# Altium PCB RTM_SFP.PcbDoc (part 1 of 5) (continued)
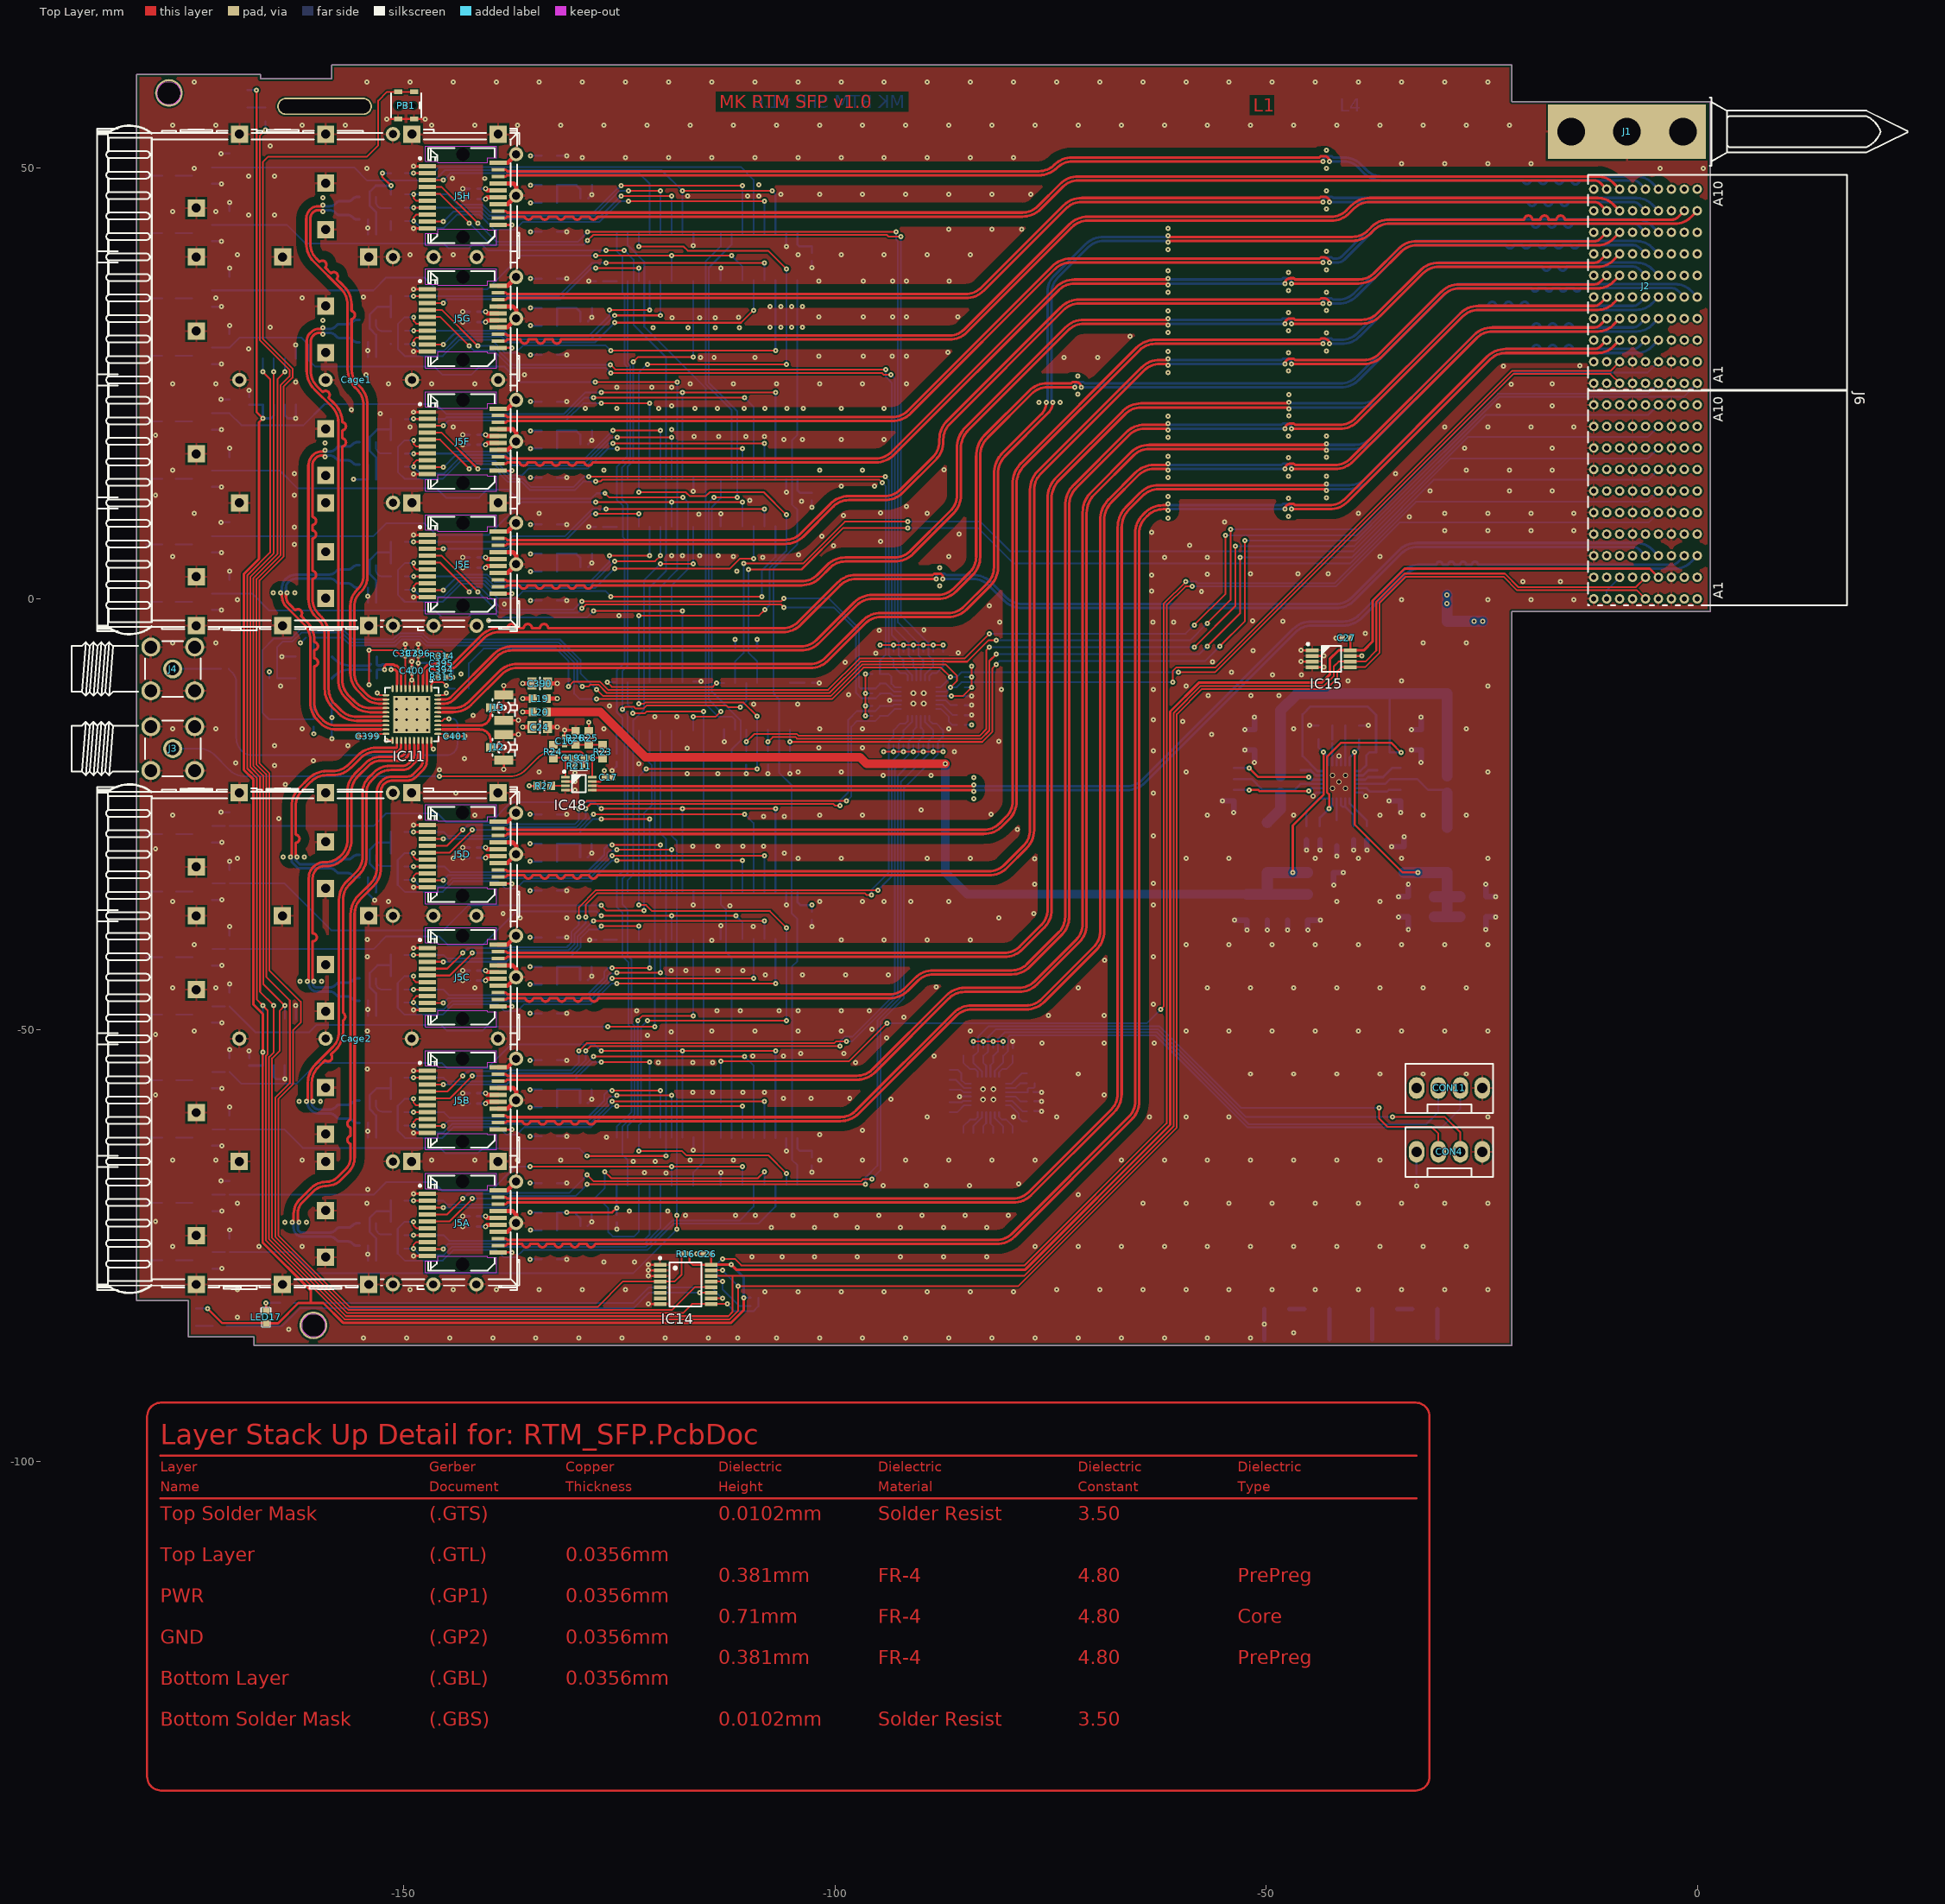
[diagram p0: Top Layer view]
## Components (designator, comment, footprint, x,y, rotation, side; value= is the part's Value field where it differs from the comment) (continued)
C404 "100nF" CAPC0603X33N -85.39,-11.28 r180 bottom
Cage1 "SFP+" TYCO_2007132-1 -143.175,25.386 r0 top locked
Cage2 "SFP+" TYCO_2007132-1 -143.189,-50.994 r0 top locked
CON4 "WF04S-LF" CON_WF04S-LF -28.75,-64.114 r90 top
CON11 "WF04S-LF" CON_WF04S-LF -28.75,-56.714 r90 top
F1 "1.5A-15V" FUSR_TYCO_SMD150F-2 -29.02,-6.79 r270 bottom
IC1 "74HC04D" SOIC127P600X175-14N -109.04,-12.45 r90 bottom locked
IC2 "74HC165D" SOIC127P600X175-16N -108.815,39.636 r90 bottom locked
IC3 "74HC4094D" SO-16 -125.315,42.43 r270 bottom locked
IC4 "74HC4094D" SO-16 -125.315,13.93 r270 bottom locked
IC5 "74HC165D" SOIC127P600X175-16N -108.815,11.136 r90 bottom locked
IC6 "74HC4094D" SO-16 -125.315,-33.95 r270 bottom locked
IC7 "74HC165D" SOIC127P600X175-16N -108.815,-36.744 r90 bottom locked
IC8 "74HC4094D" SO-16 -125.315,-62.45 r270 bottom locked
IC9 "74HC165D" SOIC127P600X175-16N -108.815,-65.244 r90 bottom locked
IC10 "74HC4094D" SO-16 -125.315,-9.675 r270 bottom locked
IC11 "nm (CDCLVD1212RHAT)" QFN50P600-40 -149.08,-13.41 r270 top locked
IC12 "LM75AIM" SOIC127P600X175-8N -164.455,-51.414 r270 bottom
IC13 "LM75AIM" SOIC127P600X175-8N -164.455,25.186 r270 bottom
IC14 "PCA9554DB" SOP65P640X120-16N -117.33,-79.49 r0 top
IC15 "24LC64-I/MS" SOP65P490X110-8N -42.44,-6.94 r0 top
IC16 "TPS53126RGET" QFN50P400X400X100-25N-S255 -41.56,-21.22 r270 bottom locked
IC20A "SN65LVDS2DBVR" SOT95P280X145-5N -154.18,-73.701 r90 bottom (schematic designator IC20)
IC20B "SN65LVDS2DBVR" SOT95P280X145-5N -154.18,-59.45 r90 bottom (schematic designator IC20)
IC20C "SN65LVDS2DBVR" SOT95P280X145-5N -154.18,-45.3 r90 bottom (schematic designator IC20)
IC20D "SN65LVDS2DBVR" SOT95P280X145-5N -154.18,-31 r90 bottom (schematic designator IC20)
IC20E "SN65LVDS2DBVR" SOT95P280X145-5N -154.18,2.6 r90 bottom (schematic designator IC20)
IC20F "SN65LVDS2DBVR" SOT95P280X145-5N -154.18,16.86 r90 bottom (schematic designator IC20)
IC20G "SN65LVDS2DBVR" SOT95P280X145-5N -154.18,31.06 r90 bottom (schematic designator IC20)
IC20H "SN65LVDS2DBVR" SOT95P280X145-5N -154.18,45.3 r90 bottom (schematic designator IC20)
IC39 "MAX7357ETG+" HVQFN24 -90.319,-11.53 r90 bottom locked
IC40 "MAX7357ETG+" HVQFN24 -82.23,-57.46 r90 bottom locked
IC48 "FIN1101K8X" US8 -129.7,-21.44 r0 top
J1 "Family" TYCO_1469265-1 -8.15,54.186 r0 top
J2 "Family" TYCO_6469183-1 -6,36.25 r0 top locked
J3 "SMA" "HUBER-SUHNER_85 SMA-50-0-101/111 NE" -176.81,-17.364 r180 top locked
J4 "SMA" "HUBER-SUHNER_85 SMA-50-0-101/111 NE" -176.81,-8.124 r180 top locked
J5A "SFP+" TYCO_1888247-1 -143.19,-72.369 r0 top locked (schematic designator J5)
J5B "SFP+" TYCO_1888247-1 -143.19,-58.119 r0 top locked (schematic designator J5)
J5C "SFP+" TYCO_1888247-1 -143.19,-43.869 r0 top locked (schematic designator J5)
J5D "SFP+" TYCO_1888247-1 -143.19,-29.619 r0 top locked (schematic designator J5)
J5E "SFP+" TYCO_1888247-1 -143.175,4.011 r0 top locked (schematic designator J5)
J5F "SFP+" TYCO_1888247-1 -143.175,18.261 r0 top locked (schematic designator J5)
J5G "SFP+" TYCO_1888247-1 -143.175,32.511 r0 top locked (schematic designator J5)
J5H "SFP+" TYCO_1888247-1 -143.175,46.761 r0 top locked (schematic designator J5)
J6 "Family" TYCO_6469183-1 -6,11.25 r0 top locked
J12 "U.FL" HIROSE_U.FL-R-SMT-1(10) -138.42,-17.21 r270 top locked
J13 "U.FL" HIROSE_U.FL-R-SMT-1(10) -138.42,-12.61 r270 top locked
L1 "1.5uH" INDM6965X300N -29.02,-28.83 r270 bottom
L2 "1.5uH" INDM6965X300N -49.87,-28.83 r270 bottom
L5A "220R@100MHz" INDC2012X105N -133.15,-71.15 r180 bottom (schematic designator L5)
L5B "220R@100MHz" INDC2012X105N -133.15,-56.9 r180 bottom (schematic designator L5)
L5C "220R@100MHz" INDC2012X105N -133.15,-42.65 r180 bottom (schematic designator L5)
L5D "220R@100MHz" INDC2012X105N -133.15,-28.4 r180 bottom (schematic designator L5)
L5E "220R@100MHz" INDC2012X105N -133.15,5.23 r180 bottom (schematic designator L5)
L5F "220R@100MHz" INDC2012X105N -133.15,19.48 r180 bottom (schematic designator L5)
L5G "220R@100MHz" INDC2012X105N -133.15,33.73 r180 bottom (schematic designator L5)
L5H "220R@100MHz" INDC2012X105N -133.15,47.98 r180 bottom (schematic designator L5)
L11A "220R@100MHz" INDC2012X105N -133.15,-73.2 r180 bottom (schematic designator L11)
L11B "220R@100MHz" INDC2012X105N -133.15,-58.95 r180 bottom (schematic designator L11)
L11C "220R@100MHz" INDC2012X105N -133.15,-44.7 r180 bottom (schematic designator L11)
L11D "220R@100MHz" INDC2012X105N -133.15,-30.45 r180 bottom (schematic designator L11)
L11E "220R@100MHz" INDC2012X105N -133.15,3.18 r180 bottom (schematic designator L11)
L11F "220R@100MHz" INDC2012X105N -133.15,17.43 r180 bottom (schematic designator L11)
L11G "220R@100MHz" INDC2012X105N -133.15,31.68 r180 bottom (schematic designator L11)
L11H "220R@100MHz" INDC2012X105N -133.15,45.93 r180 bottom (schematic designator L11)
L19 "390R@100MHz" INDC1608X95N -134.23,-11.57 r180 top
L20 "390R@100MHz" INDC1608X95N -134.23,-13.12 r180 top
LD1A "GREEN" LED_AVAGO_HSME-C120 -179.885,-69.051 r90 bottom (schematic designator LD1)
LD1B "GREEN" LED_AVAGO_HSME-C120 -179.9,-54.8 r90 bottom (schematic designator LD1)
LD1C "GREEN" LED_AVAGO_HSME-C120 -179.9,-40.55 r90 bottom (schematic designator LD1)
LD1D "GREEN" LED_AVAGO_HSME-C120 -179.9,-26.3 r90 bottom (schematic designator LD1)
LD1E "GREEN" LED_AVAGO_HSME-C120 -179.925,7.325 r90 bottom (schematic designator LD1)
LD1F "GREEN" LED_AVAGO_HSME-C120 -179.925,21.575 r90 bottom (schematic designator LD1)
LD1G "GREEN" LED_AVAGO_HSME-C120 -179.925,35.825 r90 bottom (schematic designator LD1)
LD1H "GREEN" LED_AVAGO_HSME-C120 -179.925,50.075 r90 bottom (schematic designator LD1)
LD2A "Red" LED_AVAGO_HSMC-C120 -179.885,-75.701 r90 bottom (schematic designator LD2)
LD2B "Red" LED_AVAGO_HSMC-C120 -179.9,-61.45 r90 bottom (schematic designator LD2)
LD2C "Red" LED_AVAGO_HSMC-C120 -179.9,-47.2 r90 bottom (schematic designator LD2)
LD2D "Red" LED_AVAGO_HSMC-C120 -179.9,-32.95 r90 bottom (schematic designator LD2)
LD2E "Red" LED_AVAGO_HSMC-C120 -179.925,0.675 r90 bottom (schematic designator LD2)
LD2F "Red" LED_AVAGO_HSMC-C120 -179.925,14.925 r90 bottom (schematic designator LD2)
LD2G "Red" LED_AVAGO_HSMC-C120 -179.925,29.175 r90 bottom (schematic designator LD2)
LD2H "Red" LED_AVAGO_HSMC-C120 -179.925,43.425 r90 bottom (schematic designator LD2)
LDx "GREEN" LED_AVAGO_HSME-C120 -174.101,-83.289 r90 bottom
LDy "HSMR-C120" LED_AVAGO_HSME-C120 -168.151,57.986 r90 bottom
LED17 "LED0603-P-RW120 or LYN971-Z" LED_0603R -166.001,-82.592 r270 top
OSC1 "nm (570BBC000121DG)" OSC_SILICON-LAB_SI570 -160.46,-9.23 r0 bottom
PB1 "Push Button" SW_C&K_HDT0001 -149.751,57.211 r0 top
R1A "330" RESC1608X55N -177.21,-70.051 r180 bottom (schematic designator R1)
R1B "330" RESC1608X55N -177.225,-55.8 r180 bottom (schematic designator R1)
R1C "330" RESC1608X55N -177.225,-41.55 r180 bottom (schematic designator R1)
R1D "330" RESC1608X55N -177.225,-27.3 r180 bottom (schematic designator R1)
R1E "330" RESC1608X55N -177.25,6.325 r180 bottom (schematic designator R1)
R1F "330" RESC1608X55N -177.25,20.575 r180 bottom (schematic designator R1)
R1G "330" RESC1608X55N -177.25,34.825 r180 bottom (schematic designator R1)
R1H "330" RESC1608X55N -177.25,49.075 r180 bottom (schematic designator R1)
R2 "100" RESC1608X55N -111.58,-6.45 r270 bottom
R3 "100" RESC1608X55N -110.3,-18.45 r90 bottom
R4 "100" RESC1608X55N -105.23,-18.45 r90 bottom
R5 "100" RESC1608X55N -109.04,-6.45 r270 bottom
R6 "100" RESC1608X55N -113.26,-59.24 r90 bottom
R7 "330" RESC1608X55N -166.07,56.186 r90 bottom
R8 "330" RESC1608X55N -171.375,-84.289 r180 bottom
R9 "330" RESC1608X55N -163.58,-81.63 r180 bottom
R10A "10k" RESC1608X55N -170.22,-68.301 r270 bottom (schematic designator R10)
R10B "10k" RESC1608X55N -170.22,-54.05 r270 bottom (schematic designator R10)
R10C "10k" RESC1608X55N -170.22,-39.8 r270 bottom (schematic designator R10)
R10D "10k" RESC1608X55N -170.22,-25.55 r270 bottom (schematic designator R10)
R10E "10k" RESC1608X55N -170.22,8.075 r270 bottom (schematic designator R10)
R10F "10k" RESC1608X55N -170.22,22.325 r270 bottom (schematic designator R10)
R10G "10k" RESC1608X55N -170.22,36.575 r270 bottom (schematic designator R10)
R10H "10k" RESC1608X55N -170.22,50.825 r270 bottom (schematic designator R10)
R11A "330" RESC1608X55N -177.21,-76.701 r180 bottom (schematic designator R11)
R11B "330" RESC1608X55N -177.225,-62.45 r180 bottom (schematic designator R11)
R11C "330" RESC1608X55N -177.225,-48.2 r180 bottom (schematic designator R11)
R11D "330" RESC1608X55N -177.225,-33.95 r180 bottom (schematic designator R11)
R11E "330" RESC1608X55N -177.25,-0.325 r180 bottom (schematic designator R11)
R11F "330" RESC1608X55N -177.25,13.925 r180 bottom (schematic designator R11)
R11G "330" RESC1608X55N -177.25,28.175 r180 bottom (schematic designator R11)
R11H "330" RESC1608X55N -177.25,42.425 r180 bottom (schematic designator R11)
R12A "10k" RESC1608X55N -170.22,-74.951 r270 bottom (schematic designator R12)
R12B "10k" RESC1608X55N -170.22,-60.7 r270 bottom (schematic designator R12)
R12C "10k" RESC1608X55N -170.22,-46.45 r270 bottom (schematic designator R12)
R12D "10k" RESC1608X55N -170.22,-32.2 r270 bottom (schematic designator R12)
R12E "10k" RESC1608X55N -170.22,1.425 r270 bottom (schematic designator R12)
R12F "10k" RESC1608X55N -170.22,15.675 r270 bottom (schematic designator R12)
R12G "10k" RESC1608X55N -170.22,29.925 r270 bottom (schematic designator R12)
R12H "10k" RESC1608X55N -170.22,44.175 r270 bottom (schematic designator R12)
R13 "100" RESC1608X55N -107.77,-18.45 r90 bottom
R14 "10k" RESC1005X40N -109.36,-81.03 r0 bottom
R15 "10k" RESC1005X40N -109.36,-81.98 r180 bottom
R16 "10k" RESC1005X40N -117.34,-75.96 r180 top
R17 "6k8 1%" 0603R -36.45,-17.8 r180 bottom
R18 "1k3 1%" 0603R -40.01,-14.67 r180 bottom
R19 "1M" RESC3216X65N -31.6,-82.339 r180 bottom
R20 "1M" RESC3216X65N -36.25,-82.339 r180 bottom
R21 "1M" RESC3216X65N -44.125,-82.339 r180 bottom
R22 "1M" RESC3216X65N -48.77,-82.339 r180 bottom
R23 "5k1" RESC1608X55N -126.94,-17.72 r270 top
R24 "5k1" RESC1608X55N -132.68,-17.72 r270 top
R25 "5k1" RESC1608X55N -128.54,-16.12 r270 top
R26 "5k1" RESC1608X55N -130.09,-16.12 r270 top
R27 "5k1" RESC1608X55N -133.7,-21.69 r180 top
R28 "10k" RESC1005X40N -85.39,-14.62 r0 bottom
R29 "10k" RESC1005X40N -77.291,-60.55 r0 bottom
R53 "4k3 1%" 0603R -40.01,-16.27 r0 bottom
R54 "1k3 1%" 0603R -45.32,-27.17 r270 bottom
R105A "100" RESC1608X55N -157,-73.72 r90 bottom (schematic designator R105)
R105B "100" RESC1608X55N -157,-59.46 r90 bottom (schematic designator R105)
R105C "100" RESC1608X55N -157,-45.29 r90 bottom (schematic designator R105)
R105D "100" RESC1608X55N -157,-31.01 r90 bottom (schematic designator R105)
R105E "100" RESC1608X55N -157,2.6 r90 bottom (schematic designator R105)
R105F "100" RESC1608X55N -157,16.86 r90 bottom (schematic designator R105)
R105G "100" RESC1608X55N -157,31.06 r90 bottom (schematic designator R105)
R105H "100" RESC1608X55N -157,45.3 r90 bottom (schematic designator R105)
R107A "0" RESC1608X55N -147.015,-73.776 r0 bottom (schematic designator R107)
R107B "0" RESC1608X55N -147.015,-59.525 r0 bottom (schematic designator R107)
R107C "0" RESC1608X55N -147.015,-45.275 r0 bottom (schematic designator R107)
R107D "0" RESC1608X55N -147.015,-31.025 r0 bottom (schematic designator R107)
R107E "0" RESC1608X55N -147.015,2.6 r0 bottom (schematic designator R107)
R107F "0" RESC1608X55N -147.015,16.85 r0 bottom (schematic designator R107)
R107G "0" RESC1608X55N -147.015,31.1 r0 bottom (schematic designator R107)
R107H "0" RESC1608X55N -147.015,45.35 r0 bottom (schematic designator R107)
R109A "100" RESC1608X55N -150.7,-73.776 r0 bottom (schematic designator R109)
R109B "100" RESC1608X55N -150.7,-59.525 r0 bottom (schematic designator R109)
R109C "100" RESC1608X55N -150.7,-45.275 r0 bottom (schematic designator R109)
R109D "100" RESC1608X55N -150.7,-31.025 r0 bottom (schematic designator R109)
R109E "100" RESC1608X55N -150.7,2.6 r0 bottom (schematic designator R109)
R109F "100" RESC1608X55N -150.7,16.85 r0 bottom (schematic designator R109)
R109G "100" RESC1608X55N -150.7,31.1 r0 bottom (schematic designator R109)
R109H "100" RESC1608X55N -150.7,45.35 r0 bottom (schematic designator R109)
R195 "6k8 1%" 0603R -43.11,-16.27 r0 bottom
R211 "51R" 0402R -129.713,-19.38 r180 top
R246 "5k1" RESC1608X55N -38.31,-27.17 r90 bottom
R248 "3k0 1%" 0603R -43.11,-14.67 r0 bottom
R309 "10k" RESC1005X40N -160.91,-4.5 r180 bottom
R310 "10k" RESC1005X40N -160.46,-14.41 r270 bottom
R311 "10k" RESC1005X40N -165.18,-9.23 r180 bottom
R312 "49R9" RESC1005X40N -153.61,-9.19 r0 bottom
R313 "49R9" RESC1005X40N -153.61,-6.73 r0 bottom
R314 "49R9" RESC1005X40N -145.57,-6.65 r180 top
R315 "49R9" RESC1005X40N -145.57,-9.1 r180 top
R316 "10k" RESC1005X40N -87.47,-16.46 r270 bottom
R317 "10k" RESC1005X40N -88.615,-16.46 r270 bottom
R318 "10k" RESC1005X40N -89.76,-16.46 r270 bottom
R319 "10k" RESC1005X40N -90.91,-16.46 r270 bottom
R320 "10k" RESC1005X40N -92.06,-16.46 r270 bottom
R321 "10k" RESC1005X40N -93.205,-16.46 r270 bottom
R322 "10k" RESC1005X40N -95.245,-13.57 r180 bottom
R323 "10k" RESC1005X40N -95.245,-12.425 r180 bottom
R324 "10k" RESC1005X40N -85.39,-10.235 r0 bottom
R325 "10k" RESC1005X40N -85.39,-9.08 r0 bottom
R326 "10k" RESC1005X40N -85.39,-12.325 r180 bottom
R327 "10k" RESC1005X40N -85.39,-13.47 r180 bottom
R328 "10k" RESC1005X40N -87.47,-6.605 r270 bottom
R329 "10k" RESC1005X40N -95.245,-10.98 r180 bottom
R330 "10k" RESC1005X40N -95.245,-9.83 r180 bottom
R331 "10k" RESC1005X40N -95.245,-8.685 r180 bottom
R332 "10k" RESC1005X40N -93.205,-6.605 r90 bottom
R333 "10k" RESC1005X40N -92.06,-6.605 r90 bottom
R334 "10k" RESC1005X40N -90.91,-6.605 r90 bottom
R335 "10k" RESC1005X40N -89.76,-6.605 r90 bottom
R336 "10k" RESC1005X40N -88.615,-6.605 r90 bottom
R337 "10k" RESC1005X40N -79.381,-62.39 r270 bottom
R338 "10k" RESC1005X40N -80.526,-62.39 r270 bottom
R339 "10k" RESC1005X40N -81.671,-62.39 r270 bottom
R340 "10k" RESC1005X40N -82.821,-62.39 r270 bottom
R341 "10k" RESC1005X40N -83.971,-62.39 r270 bottom
R342 "10k" RESC1005X40N -85.116,-62.39 r270 bottom
R343 "10k" RESC1005X40N -87.156,-59.5 r180 bottom
R344 "10k" RESC1005X40N -87.156,-58.355 r180 bottom
R345 "10k" RESC1005X40N -77.301,-56.165 r0 bottom
R346 "10k" RESC1005X40N -77.301,-55.01 r0 bottom
R347 "10k" RESC1005X40N -77.301,-58.255 r180 bottom
R348 "10k" RESC1005X40N -77.301,-59.4 r180 bottom
R349 "10k" RESC1005X40N -79.381,-52.53 r270 bottom
R350 "10k" RESC1005X40N -87.156,-56.91 r180 bottom
R351 "10k" RESC1005X40N -87.156,-55.76 r180 bottom
R352 "10k" RESC1005X40N -87.156,-54.615 r180 bottom
R353 "10k" RESC1005X40N -85.116,-52.53 r90 bottom
R354 "10k" RESC1005X40N -83.971,-52.53 r90 bottom
R355 "10k" RESC1005X40N -82.821,-52.53 r90 bottom
R356 "10k" RESC1005X40N -81.671,-52.53 r90 bottom
R357 "10k" RESC1005X40N -80.526,-52.53 r90 bottom
R391 "4k3" RESC1608X55N -143.26,-10.41 r0 bottom
R400A "10k" RESC1608X55N -150.7,-69.78 r180 bottom (schematic designator R400)
R400B "10k" RESC1608X55N -150.7,-55.53 r180 bottom (schematic designator R400)
R400C "10k" RESC1608X55N -150.7,-41.28 r180 bottom (schematic designator R400)
R400D "10k" RESC1608X55N -150.7,-27.024 r180 bottom (schematic designator R400)
R400E "10k" RESC1608X55N -150.7,6.6 r180 bottom (schematic designator R400)
R400F "10k" RESC1608X55N -150.7,20.85 r180 bottom (schematic designator R400)
R400G "10k" RESC1608X55N -150.7,35.1 r180 bottom (schematic designator R400)
R400H "10k" RESC1608X55N -150.7,49.35 r180 bottom (schematic designator R400)
R403A "10k" RESC1608X55N -150.7,-72.23 r180 bottom (schematic designator R403)
R403B "10k" RESC1608X55N -150.7,-57.98 r180 bottom (schematic designator R403)
R403C "10k" RESC1608X55N -150.7,-43.73 r180 bottom (schematic designator R403)
R403D "10k" RESC1608X55N -150.7,-29.48 r180 bottom (schematic designator R403)
R403E "10k" RESC1608X55N -150.7,4.15 r180 bottom (schematic designator R403)
R403F "10k" RESC1608X55N -150.7,18.4 r180 bottom (schematic designator R403)
R403G "10k" RESC1608X55N -150.7,32.65 r180 bottom (schematic designator R403)
R403H "10k" RESC1608X55N -150.7,46.9 r180 bottom (schematic designator R403)
R404A "10k" RESC1608X55N -150.7,-75.325 r180 bottom (schematic designator R404)
R404B "10k" RESC1608X55N -150.7,-61.075 r180 bottom (schematic designator R404)
R404C "10k" RESC1608X55N -150.7,-46.825 r180 bottom (schematic designator R404)
R404D "10k" RESC1608X55N -150.7,-32.575 r180 bottom (schematic designator R404)
R404E "10k" RESC1608X55N -150.7,1.055 r180 bottom (schematic designator R404)
R404F "10k" RESC1608X55N -150.7,15.305 r180 bottom (schematic designator R404)
R404G "10k" RESC1608X55N -150.7,29.545 r180 bottom (schematic designator R404)
R404H "10k" RESC1608X55N -150.7,43.805 r180 bottom (schematic designator R404)
T1A "BSS138LT1G" SOT95P240X110-3N -173.36,-76.701 r180 bottom (schematic designator T1)
T1B "BSS138LT1G" SOT95P240X110-3N -173.375,-62.45 r180 bottom (schematic designator T1)
T1C "BSS138LT1G" SOT95P240X110-3N -173.375,-48.2 r180 bottom (schematic designator T1)
T1D "BSS138LT1G" SOT95P240X110-3N -173.375,-33.95 r180 bottom (schematic designator T1)
T1E "BSS138LT1G" SOT95P240X110-3N -173.4,-0.325 r180 bottom (schematic designator T1)
T1F "BSS138LT1G" SOT95P240X110-3N -173.4,13.925 r180 bottom (schematic designator T1)
T1G "BSS138LT1G" SOT95P240X110-3N -173.4,28.175 r180 bottom (schematic designator T1)
T1H "BSS138LT1G" SOT95P240X110-3N -173.4,42.425 r180 bottom (schematic designator T1)
T2A "BSS138LT1G" SOT95P240X110-3N -173.36,-70.051 r180 bottom (schematic designator T2)
T2B "BSS138LT1G" SOT95P240X110-3N -173.375,-55.8 r180 bottom (schematic designator T2)
T2C "BSS138LT1G" SOT95P240X110-3N -173.375,-41.55 r180 bottom (schematic designator T2)
T2D "BSS138LT1G" SOT95P240X110-3N -173.375,-27.3 r180 bottom (schematic designator T2)
T2E "BSS138LT1G" SOT95P240X110-3N -173.4,6.325 r180 bottom (schematic designator T2)
T2F "BSS138LT1G" SOT95P240X110-3N -173.4,20.575 r180 bottom (schematic designator T2)
T2G "BSS138LT1G" SOT95P240X110-3N -173.4,34.825 r180 bottom (schematic designator T2)
T2H "BSS138LT1G" SOT95P240X110-3N -173.4,49.075 r180 bottom (schematic designator T2)
T5 "IRF9910Pbf" SOIC127P600X175-8N -51.05,-21.52 r0 bottom
T6 "IRF9910Pbf" SOIC127P600X175-8N -31.72,-21.52 r0 bottom

## Footprints (in the part's own frame and the unit in brackets; to place one, negate y for a bottom-side part, rotate by r counter-clockwise, add the part's x,y. Pads: shape width x height; smd on the part's side, far side on the other; paste and mask are expansions set on the pad)
0402R [mm]
  rect 0.6x0.6 smd: 1(-0.45,0) 2(0.45,0)
  silkscreen extent -0.99,-0.5 0.97,0.5, body extent -0.52,-0.27 0.53,0.28, height 0.4
0603R [mm]
  rect 0.9x1 smd: 1(-0.8,0) 2(0.8,0)
  silkscreen extent -1.42,-0.69 1.42,0.69, body extent -0.87,-0.47 0.88,0.48, height 0.55
CAPC0603X33N [mm] "Chip Capacitor, Body 0.6x0.30mm, IPC Medium Density"
  rect 0.45x0.4 smd: 1(-0.35,0) 2(0.35,0)
  body extent -0.31,-0.16 0.32,0.17, height 0.33
CAPC1005X55N [mm] "Chip Capacitor, Body 1.0x0.55mm, IPC Medium Density"
  rect 0.62x0.62 smd: 1(-0.45,0) 2(0.45,0)
  body extent -0.52,-0.27 0.53,0.28, height 0.55
CAPC1608X87N [mm] "Chip Capacitor, Body 1.6x0.8mm IPC Medium Density"
  rect 0.95x1 smd: 1(-0.8,0) 2(0.8,0)
  silkscreen extent 0,-0.5 0,0.5, body extent -0.87,-0.47 0.88,0.48, height 0.87
CAPC2012X135N [mm] "Chip Capacitor, Body 2.0x1.25mm, IPC Medium Density"
  rect 1.05x1.4 smd: 1(-0.9,0) 2(0.9,0)
  silkscreen extent 0,-0.7 0,0.7, body extent -1.05,-0.67 1.05,0.68, height 1.25
CAPC3216X140N [mm] "Chip Capacitor, Body 3.2x1.6mm, IPC Medium Density"
  rect 1.15x1.8 smd: 1(-1.5,0) 2(1.5,0)
  silkscreen extent -0.5,-0.9 0.5,0.9, body extent -1.7,-0.9 1.7,0.9, height 1.4
CAPC3216X180N [mm] "Chip Capacitor, Body 3.2x1.6mm, IPC Medium Density"
  rect 1.15x1.8 smd: 1(-1.5,0) 2(1.5,0)
  silkscreen extent -0.55,-0.8 0.55,0.8, body extent -1.7,-0.9 1.7,0.9, height 1.8
CON_WF04S-LF [mm]
  oval 2.5x1.8 hole 1.2 paste-1: 1(0,-3.81) 2(0,-1.27) 3(0,1.27) 4(0,3.81)
  silkscreen extent -2.92,-5.08 2.82,5.08, body extent -2.95,-5.05 2.85,5.11, height 11.7
FUSR_TYCO_SMD150F-2 [mm] "PolySwitch, 2-Leads, Body 8.7x6.35mm Nominal"
  rect 2.3x4.6 smd: 1(-4.2,0) 2(4.2,0)
  silkscreen extent -4.7,-3.36 4.7,3.36, body extent -4.7,-3.35 4.7,3.36, height 3
HIROSE_U.FL-R-SMT-1(10) [mm] "Up to 6GHz Ultra Small Surface Mount Male Coaxial Connectors U.FL Series"
  rect 1x1.05 smd: 1(0,-1.525)
  rect 1.05x2.2 smd: 2(-1.475,0) 2(1.475,0)
  silkscreen extent -1,-1.3 1,1.55, body extent -1.5,-1.55 1.5,1.55, height 1.25
"HUBER-SUHNER_85 SMA-50-0-101/111 NE" [mm] "50 Ohm SMA Right Angle PCB Jack"
  round 2.2 hole 1.5: 1(0,0) 2(-2.54,2.54) 2(-2.54,-2.54) 2(2.54,2.54) 2(2.54,-2.54)
  silkscreen extent -3.23,-3.23 11.73,3.23, body extent -3.23,-3.23 11.73,3.23, height 9.6
HVQFN24 [mm]
  oval 0.8x0.25 smd: 1(-2.05,1.25) 2(-2.05,0.75) 3(-2.05,0.25) 4(-2.05,-0.25) 5(-2.05,-0.75) 6(-2.05,-1.25) 13(2.05,-1.25) 14(2.05,-0.75) 15(2.05,-0.25) 16(2.05,0.25) 17(2.05,0.75) 18(2.05,1.25)
  oval 0.25x0.8 smd: 7(-1.25,-2.05) 8(-0.75,-2.05) 9(-0.25,-2.05) 10(0.25,-2.05) 11(0.75,-2.05) 12(1.25,-2.05) 19(1.25,2.05) 20(0.75,2.05) 21(0.25,2.05) 22(-0.25,2.05) 23(-0.75,2.05) 24(-1.25,2.05)
  rect 2.3x2.3 smd: 25(0,0)
  silkscreen extent -3.12,-2.05 2.05,2.05, body extent -2.11,-2.11 2.11,2.11, height 0.4
INDC1608X95N [mm] "Chip Inductor, 2-Leads, EIA 0603, Metric 1608, Body 1.6x0.8mm, IPC Medium Density"
  rect 0.95x1 smd: 1(-0.8,0) 2(0.8,0)
  body extent -0.87,-0.47 0.88,0.48, height 0.95
INDC2012X105N [mm] "Chip Inductor, EIA 0805, Metric 2012, Body 2.0x1.25mm, IPC Medium Density"
  rect 1.15x1.45 smd: 1(-0.9,0) 2(0.9,0)
  silkscreen extent 0,-0.8 0,0.8, body extent -1.1,-0.7 1.1,0.7, height 1.1
INDM6965X300N [mm] "Inductor Molded Body, Body 6.86mm L X 6.47mm W X 3mm H, IPC Medium Density"
  rect 2.4x3.4 smd: 1(-2.9,0) 2(2.9,0)
  silkscreen extent -3.4,-3.25 3.4,3.25, body extent -3.62,-3.36 3.62,3.36, height 3
LED_0603R [mil]
  rect 30x30 smd: A(55,0) K(0,0)
  silkscreen extent -19,-22 73,22, body extent -10,-15 65,15, height 28
LED_AVAGO_HSMC-C120 [mm] "Red Chip LED, 2-Leads, Body 1.7x1.1mm, Side Emitting Package"
  rect 0.8x0.7 smd: 1(-1,0) 2(1,0)
  rect 0.4x0.4 smd: 3(0,0.35)
  silkscreen extent -1.12,-0.8 0.51,0.92, body extent -0.85,-0.8 0.85,0.3, height 0.7
LED_AVAGO_HSME-C120 [mm] "Green Chip LED, 2-Leads, Body 1.7x1.1mm, Side Emitting Package"
  rect 0.8x0.7 smd: 1(-1,0) 2(1,0)
  rect 0.4x0.4 smd: 3(0,0.35)
  silkscreen extent -1.12,-0.8 0.51,0.92, body extent -0.85,-0.8 0.85,0.3, height 0.7
OSC_SILICON-LAB_SI570 [mm] "Oscillator Si570 Serie, 8 pins, 5x7mm"
  rect 2.15x1.7 smd: 1(-2.1,2.54) 2(-2.1,0) 3(-2.1,-2.54) 4(2.1,-2.54) 5(2.1,0) 6(2.1,2.54)
  rect 1.3x1.545 smd: 7(0,2.853) 8(0,-2.853)
  silkscreen extent -4,-1.75 0.65,2.75, body extent -2.5,-3.5 2.5,3.5, height 1.85
QFN50P400X400X100-25N-S255 [mm] "QFN,0.50mm pitch,square;6 pin X 6 pin,4.15mm X 4.15mm X 1.00mm H body (w/thermal tab 2.55 X 2.55mm),  IPC Medium Density"
  oval 0.9x0.3 smd: 1(-1.95,1.25) 2(-1.95,0.75) 3(-1.95,0.25) 4(-1.95,-0.25) 5(-1.95,-0.75) 6(-1.95,-1.25) 13(1.95,-1.25) 14(1.95,-0.75) 15(1.95,-0.25) 16(1.95,0.25) 17(1.95,0.75) 18(1.95,1.25)
  oval 0.3x0.9 smd: 7(-1.25,-1.95) 8(-0.75,-1.95) 9(-0.25,-1.95) 10(0.25,-1.95) 11(0.75,-1.95) 12(1.25,-1.95) 19(1.25,1.95) 20(0.75,1.95) 21(0.25,1.95) 22(-0.25,1.95) 23(-0.75,1.95) 24(-1.25,1.95)
  rect 2.55x2.55 smd: 25(0,0)
  silkscreen extent -2.77,-2.1 2.1,2.1, body extent -2.07,-2.07 2.08,2.08, height 1
QFN50P600-40 [mm]
  oval 0.8x0.25 smd: 1(-3,2.25) 2(-3,1.75) 3(-3,1.25) 4(-3,0.75) 5(-3,0.25) 6(-3,-0.25) 7(-3,-0.75) 8(-3,-1.25) 9(-3,-1.75) 10(-3,-2.25) 21(3,-2.25) 22(3,-1.75) 23(3,-1.25) 24(3,-0.75) 25(3,-0.25) 26(3,0.25) 27(3,0.75) 28(3,1.25) 29(3,1.75) 30(3,2.25)
  oval 0.25x0.8 smd: 11(-2.25,-3) 12(-1.75,-3) 13(-1.25,-3) 14(-0.75,-3) 15(-0.25,-3) 16(0.25,-3) 17(0.75,-3) 18(1.25,-3) 19(1.75,-3) 20(2.25,-3) 31(2.25,3) 32(1.75,3) 33(1.25,3) 34(0.75,3) 35(0.25,3) 36(-0.25,3) 37(-0.75,3) 38(-1.25,3) 39(-1.75,3) 40(-2.25,3)
  rect 4.3x4.3 smd: 41(0,0)
  silkscreen extent -4.07,-3.1 3.1,3.1, body extent -3,-3 3,3, height 1
RESC1005X40N [mm] "Chip Resistor, EIA 0402, Metric 1005, Body 1.0x0.5mm, IPC Medium Density"
  rect 0.6x0.6 smd: 1(-0.45,0) 2(0.45,0)
  body extent -0.52,-0.27 0.53,0.28, height 0.4
RESC1608X55N [mm] "Chip Resistor, EIA 0603, Metric 1608, Body 1.6x0.8mm, IPC Medium Density"
  rect 0.9x1 smd: 1(-0.8,0) 2(0.8,0)
  silkscreen extent 0,-0.5 0,0.5, body extent -0.87,-0.47 0.88,0.48, height 0.55
RESC3216X65N [mm] "Chip Resistor, EIA 1206, Metric 3216, Body 3.2x1.6mm, IPC Medium Density"
  rect 1.15x1.8 smd: 1(-1.45,0) 2(1.45,0)
  silkscreen extent -0.5,-0.9 0.5,0.9, body extent -1.67,-0.87 1.68,0.88, height 0.65
SO-16 [mil]
  oval 80x24 smd: 1(0,0) 2(0,-50) 3(0,-100) 4(0,-150) 5(0,-200) 6(0,-250) 7(0,-300) 8(0,-350) 9(220,-350) 10(220,-300) 11(220,-250) 12(220,-200) 13(220,-150) 14(220,-100) 15(220,-50) 16(220,0)
  silkscreen extent 60,-375 160,25, body extent -16,-372 228,22, height 69
SOIC127P600X175-8N [mm] "SOIC 8, Pitch 1.27mm - Body 4x5mm, IPC Medium Density"
  rect 1.55x0.6 smd: 1(-2.7,1.905) 2(-2.7,0.635) 3(-2.7,-0.635) 4(-2.7,-1.905) 5(2.7,-1.905) 6(2.7,-0.635) 7(2.7,0.635) 8(2.7,1.905)
  silkscreen extent -2.52,-2.5 1.55,2.88, body extent -3.1,-2.5 3.1,2.5, height 1.75
SOIC127P600X175-14N [mm] "SOIC 14, Pitch 1.27mm - Body 4x8.75mm, IPC Medium Density"
  rect 1.55x0.6 smd: 1(-2.7,3.81) 2(-2.7,2.54) 3(-2.7,1.27) 4(-2.7,0) 5(-2.7,-1.27) 6(-2.7,-2.54) 7(-2.7,-3.81) 8(2.7,-3.81) 9(2.7,-2.54) 10(2.7,-1.27) 11(2.7,0) 12(2.7,1.27) 13(2.7,2.54) 14(2.7,3.81)
  silkscreen extent -2.52,-4.4 1.55,4.79, body extent -3.1,-4.37 3.1,4.38, height 1.75
SOIC127P600X175-16N [mm] "SOIC 16, Pitch 1.27mm - Body 4x10mm, IPC Medium Density"
  rect 1.55x0.6 smd: 1(-2.7,4.445) 2(-2.7,3.175) 3(-2.7,1.905) 4(-2.7,0.635) 5(-2.7,-0.635) 6(-2.7,-1.905) 7(-2.7,-3.175) 8(-2.7,-4.445) 9(2.7,-4.445) 10(2.7,-3.175) 11(2.7,-1.905) 12(2.7,-0.635) 13(2.7,0.635) 14(2.7,1.905) 15(2.7,3.175) 16(2.7,4.445)
  silkscreen extent -2.45,-5 1.55,5.38, body extent -3.1,-5 3.1,5, height 1.75
SOP65P490X110-8N [mm] "SOP, 0.65mm pitch; 8 pin, 3.00mm W X 3.00mm L X 1.10mm H body, IPC Medium Density"
  rect 1.5x0.45 smd: 1(-2.2,0.975) 2(-2.2,0.325) 3(-2.2,-0.325) 4(-2.2,-0.975) 5(2.2,-0.975) 6(2.2,-0.325) 7(2.2,0.325) 8(2.2,0.975)
  silkscreen extent -2.82,-1.5 1.12,1.82, body extent -2.45,-1.55 2.45,1.55, height 1.1
SOP65P640X120-16N [mm] "SOP, 0.65mm pitch; 16 pin, 4.40mm W X 5.00mm L X 1.20mm H body IPC Medium Density"
  rect 1.45x0.45 smd: 1(-2.95,2.275) 2(-2.95,1.625) 3(-2.95,0.975) 4(-2.95,0.325) 5(-2.95,-0.325) 6(-2.95,-0.975) 7(-2.95,-1.625) 8(-2.95,-2.275) 9(2.95,-2.275) 10(2.95,-1.625) 11(2.95,-0.975) 12(2.95,-0.325) 13(2.95,0.325) 14(2.95,0.975) 15(2.95,1.625) 16(2.95,2.275)
  silkscreen extent -3.07,-2.55 1.85,3.17, body extent -3.12,-2.55 3.12,2.55, height 1.2
SOT95P240X110-3N [mm] "SOT23 3-Leads, Pitch 0.95mm - Body 1.3x2.9mm, IPC Medium Density"
  rect 1.05x0.65 smd: 1(-1.15,0.95) 2(-1.15,-0.95) 3(1.15,0)
  silkscreen extent -1.53,-1.45 0.3,1.92, body extent -1.25,-1.5 1.25,1.5, height 1.1
SOT95P280X145-5N [mm] "SOT, 0.95mm pitch; 5 pin, 1.60mm W X 2.90mm L X 1.45mm H body, IPC Medium Density"
  rect 1.1x0.6 smd: 1(-1.3,0.95) 2(-1.3,0) 3(-1.3,-0.95) 4(1.3,-0.95) 5(1.3,0.95)
  silkscreen extent -1.72,-1.45 0.43,1.88, body extent -1.4,-1.5 1.4,1.5, height 1.45
SW_C&K_HDT0001 [mm] "Micro Mini Surface Mount Detect Switches, HDT Serie"
  rect 0.95x0.55 smd: 1(-0.925,1.575) 2(0.925,1.575) 3(-0.925,-1.575) 4(0.925,-1.575)
  round 0.5 hole 0.85 unplated mask+0.175: 5(-0.85,0)
  round 0.5 hole 0.65 unplated mask+0.075: 10(0.85,0)
  silkscreen extent -1.75,-1.4 1.75,1.4, body extent -1.75,-1.65 1.75,1.65, height 3.35
TYCO_1469265-1 [mm] "Universal Right Angle Male Power Module Guide (keyed)"
  round 3.9 hole 3.2: 1(-6.48,0) 1(6.48,0)
  rect 18.3x6.3 smd paste-4.15 mask-4.15: 1(0,0)
  round 6 hole 3.2: 1(0,0)
  silkscreen extent 9.58,-3.96 32.55,3.94, body extent -8.92,-3.95 32.53,3.95, height 9.7
TYCO_1888247-1 [mm] "20 Position, Pitch 0.8mm SFP Receptacle (Small Form-factor Pluggable)"
  rect 2x0.5 smd: 1(-4.1,3.395) 2(-4.1,2.595) 3(-4.1,1.795) 4(-4.1,0.995) 5(-4.1,0.195) 6(-4.1,-0.605) 7(-4.1,-1.405) 8(-4.1,-2.205) 9(-4.1,-3.005) 10(-4.1,-3.805) 11(4.1,-3.405) 14(4.1,-1.005) 15(4.1,-0.205) 16(4.1,0.595) 17(4.1,1.395) 20(4.1,3.795)
  rect 1.5x0.4 smd: 12(4.1,-2.605) 13(4.1,-1.805) 18(4.1,2.195) 19(4.1,2.995)
  round 1 hole 1.55 unplated mask+0.28: MTG1(0,4.795) MTG2(0,-4.805)
  Top Layer keep-out lines w0.1: -4.34,-5.755 3.94,-5.755 3.94,-4.805 3.94,-3.995 2.88,-3.995 2.88,-3.855 -2.88,-3.855 -2.88,-4.395 -4.34,-4.395 -4.34,-5.755 ; -4.34,3.985 -2.88,3.985 -2.88,3.845 2.88,3.845 2.88,4.385 3.94,4.385 3.94,5.745 -4.34,5.745 -4.34,3.985
  silkscreen extent -42.4,-7.77 6.3,7.77, body extent -4.5,-5.5 4.5,5.5, height 5.22
TYCO_2007132-1 [mm] "SFP+ 1x4 Press Fit Cage"
  rect 2x2 hole 1.05: 1(-25.9,28.5) 2(-15.9,28.5) 3(-5.9,28.5) 4(4.1,28.5) 5(-15.9,22.825) 6(-30.9,19.925) 7(-15.9,17.425) 8(-30.9,14.25) 9(-20.9,14.25) 10(-10.9,14.25) 11(-15.9,8.575) 12(-30.9,5.675) 13(-15.9,3.175) 14(-15.9,-5.675) 15(-30.9,-8.575) 16(-15.9,-11.075) 17(-25.9,-14.25) 18(-15.9,-14.25) 19(-5.9,-14.25) 20(4.1,-14.25) 21(-15.9,-19.925) 22(-30.9,-22.825) 23(-15.9,-25.325) 24(-30.9,-28.5) 25(-20.9,-28.5) 26(-10.9,-28.5)
  round 1.65 hole 0.95: 27(-8.1,28.5) 28(6.2,26.175) 29(6.2,21.375) 30(-8.1,14.25) 31(-3.4,14.25) 32(1.6,14.25) 33(6.2,11.925) 34(6.2,7.125) 35(-25.9,0) 36(-15.9,0) 37(-5.9,0) 38(4.1,0) 39(6.2,-2.325) 40(6.2,-7.125) 41(-8.1,-14.25) 42(6.2,-16.575) 43(6.2,-21.375) 44(-8.1,-28.5) 45(-3.4,-28.5) 46(1.6,-28.5)
  silkscreen extent -42.4,-29.52 6.57,29.52, body extent -42.4,-29.52 6.57,29.53, height 10.59
TYCO_6469183-1 [mm] "60 Positions, Pitch 2.5mm,  Advanced TCA, Z-PACK HM-Zd BackPlane Press Fit Header"
  round 1.1 hole 0.6: A1(6,-11.25) A2(6,-8.75) A3(6,-6.25) A4(6,-3.75) A5(6,-1.25) A6(6,1.25) A7(6,3.75) A8(6,6.25) A9(6,8.75) A10(6,11.25) B1(4.5,-11.25) B2(4.5,-8.75) B3(4.5,-6.25) B4(4.5,-3.75) B5(4.5,-1.25) B6(4.5,1.25) B7(4.5,3.75) B8(4.5,6.25) B9(4.5,8.75) B10(4.5,11.25) BG1(3,-11.25) BG2(3,-8.75) BG3(3,-6.25) BG4(3,-3.75) BG5(3,-1.25) BG6(3,1.25) BG7(3,3.75) BG8(3,6.25) BG9(3,8.75) BG10(3,11.25) C1(1.5,-11.25) C2(1.5,-8.75) C3(1.5,-6.25) C4(1.5,-3.75) C5(1.5,-1.25) C6(1.5,1.25) C7(1.5,3.75) C8(1.5,6.25) C9(1.5,8.75) C10(1.5,11.25) D1(0,-11.25) D2(0,-8.75) D3(0,-6.25) D4(0,-3.75) D5(0,-1.25) D6(0,1.25) D7(0,3.75) D8(0,6.25) D9(0,8.75) D10(0,11.25) DG1(-1.5,-11.25) DG2(-1.5,-8.75) DG3(-1.5,-6.25) DG4(-1.5,-3.75) DG5(-1.5,-1.25) DG6(-1.5,1.25) DG7(-1.5,3.75) DG8(-1.5,6.25) DG9(-1.5,8.75) DG10(-1.5,11.25) E1(-3,-11.25) E2(-3,-8.75) E3(-3,-6.25) E4(-3,-3.75) E5(-3,-1.25) E6(-3,1.25) E7(-3,3.75) E8(-3,6.25) E9(-3,8.75) E10(-3,11.25) F1(-4.5,-11.25) F2(-4.5,-8.75) F3(-4.5,-6.25) F4(-4.5,-3.75) F5(-4.5,-1.25) F6(-4.5,1.25) F7(-4.5,3.75) F8(-4.5,6.25) F9(-4.5,8.75) F10(-4.5,11.25) FG1(-6,-11.25) FG2(-6,-8.75) FG3(-6,-6.25) FG4(-6,-3.75) FG5(-6,-1.25) FG6(-6,1.25) FG7(-6,3.75) FG8(-6,6.25) FG9(-6,8.75) FG10(-6,11.25)
  silkscreen extent -6.65,-12 23.35,12.9, body extent -6.65,-12 23.35,12.9, height 13.31